# KiCad board magnum-drum-synth.kicad_pcb (continued)
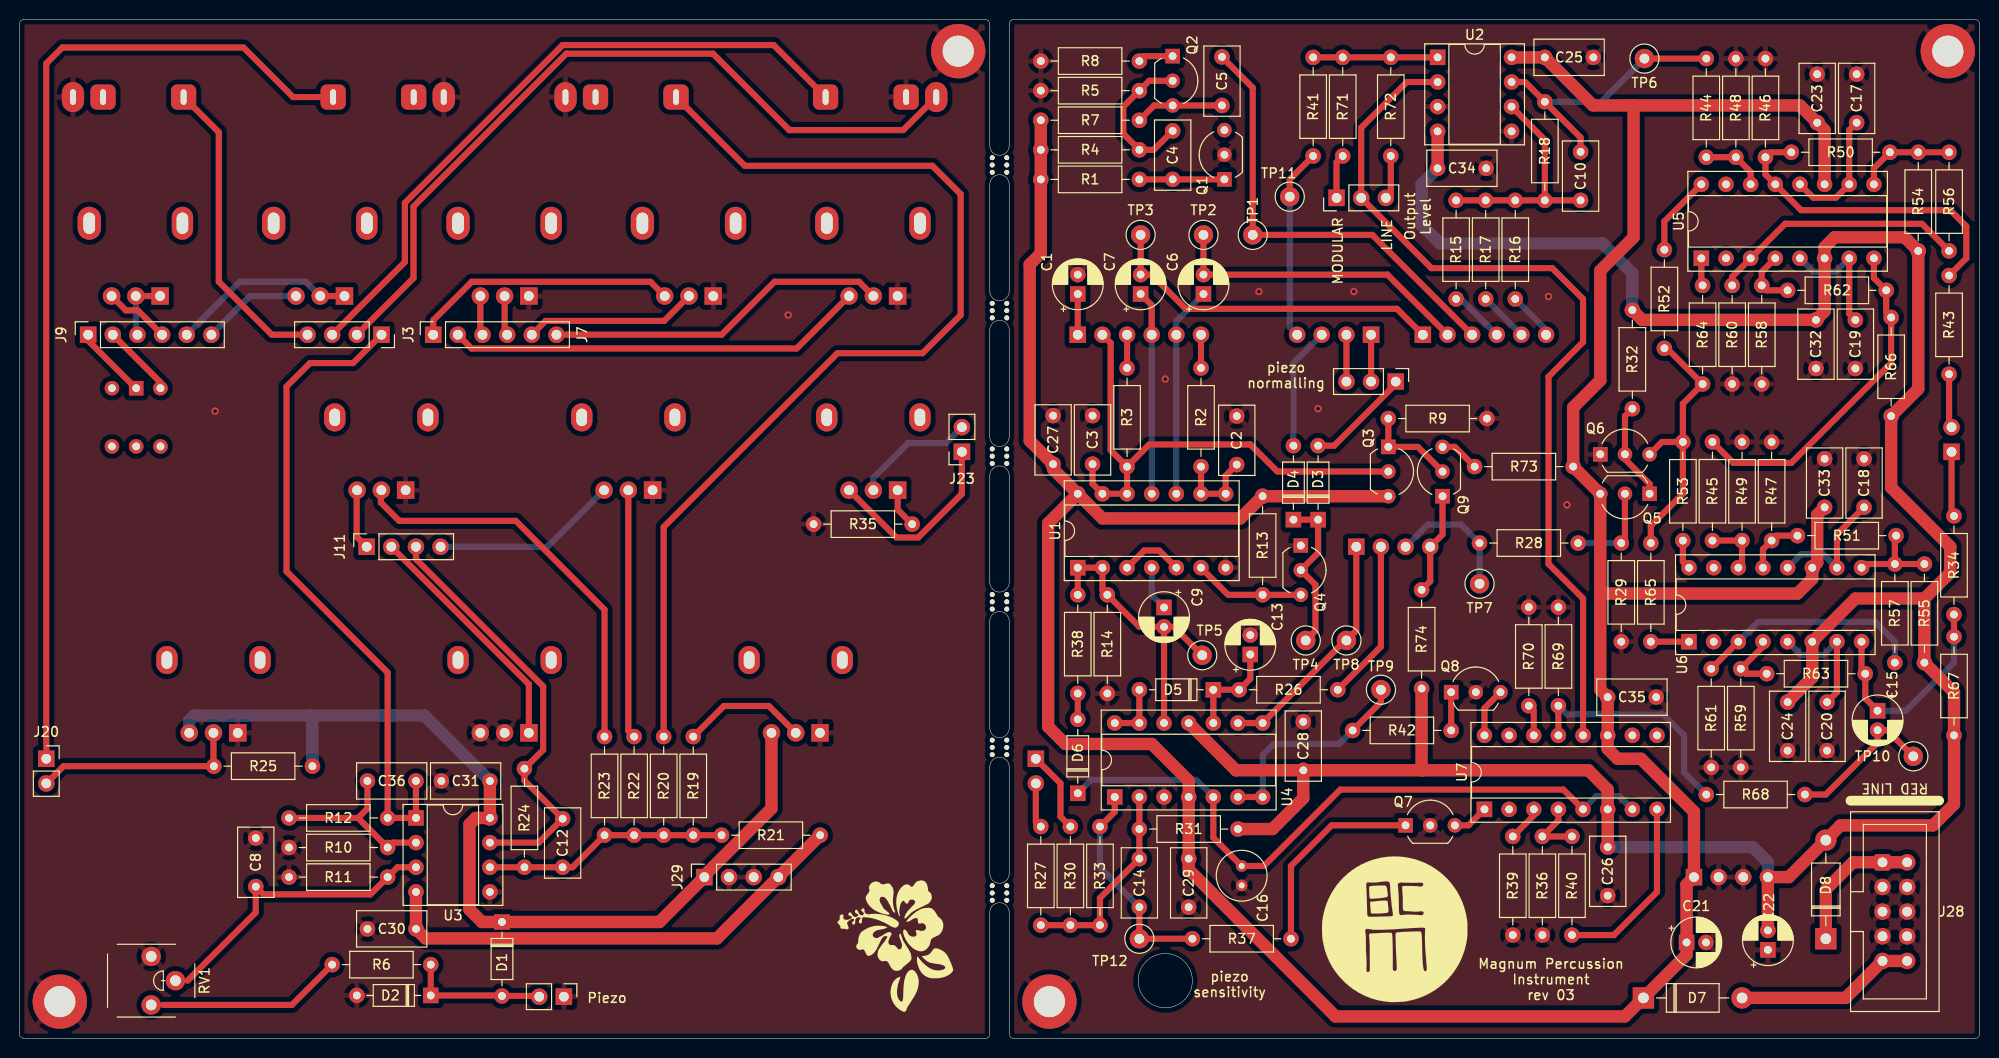
[diagram p0: board, top side]
## Placement (name value [footprint] x y rotation side) (continued)
U7  LM13700  [DIP-16_W7.62mm_Socket]  150.97 23.62 90 top

## Library data of the parts
C1 C6 C7 C9 C13 C15 C21 C22 = -: Spec: electrolytic; Tolerance: 20%; Voltage: 50v
C2-C4 C8 C10 C12 C14 C36 = -: Spec: ceramic C0G; Tolerance: 5%
C5 C23-C35 = -: Spec: ceramic X7R; Tolerance: 5%
C16 = -: Spec: electrolytic non polarised; Tolerance: 20%; Voltage: 50v
C17-C20 = -: Spec: film polypropylene; Tolerance: 5%
J2 = -: Name: Trig In; mpn: WQP-WQP518MA
J3 = -: Name: Trig Header Ctrl
J4 = -: Name: Trig Header Main
J5 = -: Name: Piezo Normal
J6 = -: Name: Signals Header Main
J7 = -: Name: Signals Header Ctrl
J8 = -: Name: OSC Freq Header Main
J9 = -: Name: OSC Freq Header Ctrl
J10 = -: Name: Filter Mod Header Main
J11 = -: Name: Filter Mod Header Ctrl
J12 = -: Name: Freq CV; mpn: WQP-WQP518MA
J18 = -: Name: Decay CV; mpn: WQP-WQP518MA
J20 = -: Name: Amp Decay Header Ctrl
J21 = -: Name: Amp Decay Header Main
J22 = -: Name: Res Header Main
J23 = -: Name: Res Header Ctrl
J26 = -: Name: Audio Out; mpn: WQP-WQP518MA
J27 = -: Name: Output Level Select
J29 = -: Name: Power Header Ctrl
J30 = -: Name: Power Header Main
R1-R74 = -: Tolerance: 1%
RV1 = -: Name: Piezo Sensitivity; Spec: single turn
RV2 = -: Name: OSC2 Level
RV3 = -: Name: OSC1 Freq
RV4 = -: Name: OSC2 Freq
RV5 = -: Name: OSC1 Level
RV6 = -: Name: Noise Level
RV7 = -: Name: Filter Env Mod
RV8 = -: Name: Filter Freq
RV9 = -: Name: Filter LFO Mod
RV10 = -: Name: Amp Env Decay
RV11 = -: Name: Filter Env Decay
RV12 = -: Name: Filter Res
SW1 = -: Name: OSC2 LFO; PartNumber: MHPS2285

## Footprints (pads in the part's own frame, mm; a bottom-side part is the same pattern mirrored in y, then rotated)
C_Radial_D5.0mm_H5.0mm_P2.00mm
  round 1.2 hole 0.6: 1(0,0) 2(2,0)
C_Rect_L7.0mm_W3.5mm_P5.00mm
  round 1.6 hole 0.8: 1(0,0) 2(5,0)
CP_Radial_D5.0mm_P2.00mm
  rect 1.6x1.6 hole 0.8: 1(0,0)
  round 1.6 hole 0.8: 2(2,0)
D_DO-35_SOD27_P7.62mm_Horizontal
  rect 1.6x1.6 hole 0.8: 1(0,0)
  oval 1.6x1.6 hole 0.8: 2(7.62,0)
D_DO-41_SOD81_P10.16mm_Horizontal
  rect 2.2x2.2 hole 1.1: 1(0,0)
  oval 2.2x2.2 hole 1.1: 2(10.16,0)
DIP-8_W7.62mm_Socket
  rect 1.6x1.6 hole 0.8: 1(0,0)
  oval 1.6x1.6 hole 0.8: 2(0,-2.54) 3(0,-5.08) 4(0,-7.62) 5(7.62,-7.62) 6(7.62,-5.08) 7(7.62,-2.54) 8(7.62,0)
DIP-14_W7.62mm_Socket
  rect 1.6x1.6 hole 0.8: 1(0,0)
  oval 1.6x1.6 hole 0.8: 2(0,-2.54) 3(0,-5.08) 4(0,-7.62) 5(0,-10.16) 6(0,-12.7) 7(0,-15.24) 8(7.62,-15.24) 9(7.62,-12.7) 10(7.62,-10.16) 11(7.62,-7.62) 12(7.62,-5.08) 13(7.62,-2.54) 14(7.62,0)
DIP-16_W7.62mm_Socket
  rect 1.6x1.6 hole 0.8: 1(0,0)
  oval 1.6x1.6 hole 0.8: 2(0,-2.54) 3(0,-5.08) 4(0,-7.62) 5(0,-10.16) 6(0,-12.7) 7(0,-15.24) 8(0,-17.78) 9(7.62,-17.78) 10(7.62,-15.24) 11(7.62,-12.7) 12(7.62,-10.16) 13(7.62,-7.62) 14(7.62,-5.08) 15(7.62,-2.54) 16(7.62,0)
Eurorack_PowerHeader_2x05_P2.54mm_Shrouded
  rrect 1.7x1.7 hole 1: 1(0,0)
  round 1.7 hole 1: 2(2.54,0) 3(0,-2.54) 4(2.54,-2.54) 5(0,-5.08) 6(2.54,-5.08) 7(0,-7.62) 8(2.54,-7.62) 9(0,-10.16) 10(2.54,-10.16)
Jack_3.5mm_QingPu_WQP-PJ398SM_Vertical
  oval 3.1x2.3 hole 1.6x0.6: S(0,-6.48)
  rrect 2.6x2.6 hole 1.6x0.6: T(0,4.92) TN(0,-3.38)
MountingHole_3.2mm_M3_DIN965_Pad
  round 5.6 hole 3.2: 1(0,0)
mouse-bite-2mm-slot
  round 0.5 hole 0.5 unplated: (-0.75,0.75) (-0.75,-0.75) (0,0.75) (0,-0.75) (0.75,0.75) (0.75,-0.75)
PinHeader_1x02_P2.54mm_Vertical
  rect 1.7x1.7 hole 1: 1(0,0)
  oval 1.7x1.7 hole 1: 2(0,-2.54)
PinHeader_1x03_P2.54mm_Vertical
  rect 1.7x1.7 hole 1: 1(0,0)
  oval 1.7x1.7 hole 1: 2(0,-2.54) 3(0,-5.08)
PinHeader_1x04_P2.54mm_Vertical
  rect 1.7x1.7 hole 1: 1(0,0)
  oval 1.7x1.7 hole 1: 2(0,-2.54) 3(0,-5.08) 4(0,-7.62)
PinHeader_1x06_P2.54mm_Vertical
  rect 1.7x1.7 hole 1: 1(0,0)
  oval 1.7x1.7 hole 1: 2(0,-2.54) 3(0,-5.08) 4(0,-7.62) 5(0,-10.16) 6(0,-12.7)
PinSocket_1x02_P2.54mm_Vertical
  rect 1.7x1.7 hole 1: 1(0,0)
  oval 1.7x1.7 hole 1: 2(0,-2.54)
PinSocket_1x04_P2.54mm_Vertical
  rect 1.7x1.7 hole 1: 1(0,0)
  oval 1.7x1.7 hole 1: 2(0,-2.54) 3(0,-5.08) 4(0,-7.62)
PinSocket_1x06_P2.54mm_Vertical
  rect 1.7x1.7 hole 1: 1(0,0)
  oval 1.7x1.7 hole 1: 2(0,-2.54) 3(0,-5.08) 4(0,-7.62) 5(0,-10.16) 6(0,-12.7)
Potentiometer_Alpha_RD901F-40-00D_Single_Vertical
  oval 2.2x2.9 hole 1.1x1.8: (-4.8,0) (4.8,0)
  rect 1.8x1.8 hole 1: 1(-2.5,-7.5)
  round 1.8 hole 1: 2(0,-7.5) 3(2.5,-7.5)
Potentiometer_Song_Huei_R0904N_Single_Vertical
  oval 2.2x3.4 hole 1.2x2.2: (-4.8,0)
  oval 2.4x3.4 hole 1.2x2.2: (4.8,0)
  rect 1.8x1.8 hole 1: 1(-2.5,-7.5)
  round 1.8 hole 1: 2(0,-7.5) 3(2.5,-7.5)
Potentiometer_THT_Bourns_3306P_Vertical
  round 2 hole 1.1: 1(-2.5,-1.25) 2(0,1.25) 3(2.5,-1.25)
R_Axial_DIN0207_L6.3mm_D2.5mm_P10.16mm_Horizontal
  round 1.6 hole 0.8: 1(0,0)
  oval 1.6x1.6 hole 0.8: 2(10.16,0)
SW_PUSH_2P2T_8mm_Apem_MHPS2285
  rect 1.5x1.5 hole 0.8: 1(-3,0)
  round 1.5 hole 0.8: 2(-3,-2.5) 3(-3,2.5) 4(3,-2.5) 5(3,2.5) 6(3,0)
TestPoint_Loop_D2.50mm_Drill1.0mm_LowProfile
  round 2 hole 1: 1(0,0)
TO-92_Inline_Wide
  rect 1.5x1.5 hole 0.8: 1(0,0)
  round 1.5 hole 0.8: 2(2.54,0) 3(5.08,0)

## Nets
+12V: C21.1 C23.1 C25.1 C27.1 C29.1 C31.1 C33.1 C35.1 D1.1 D7.1 J29.1 J30.1 Q3.3 Q5.3 R1.1 R4.1 R7.1 R13.1 R25.2 R73.1 RV8.3 RV10.3 U1.14 U2.8 U3.8 U4.4 U5.11 U6.11 U7.11
-12V: C22.2 C24.2 C26.2 C28.2 C30.2 C32.2 C34.2 D8.2 J29.4 J30.4 R21.1 R31.1 R32.1 R54.2 R55.2 R66.2 R67.2 R74.2 U2.4 U3.4 U4.11 U5.6 U6.6 U7.6
GND: C1.2 C2.1 C3.2 C8.1 C13.2 C16.2 C17.1 C18.1 C19.1 C20.1 C21.2 C22.1 C23.2 C24.1 C25.2 C26.1 C27.2 C28.1 C29.2 C30.1 C31.2 C32.1 C33.2 C34.1 C35.2 D2.2 H7.1 H8.1 H9.1 H10.1 J1.1 J2.TN J12.S J18.S J26.S J28.3 J28.4 J28.5 J28.6 J28.7 J28.8 J29.2 J29.3 J30.2 J30.3 Q1.2 Q4.1 Q6.1 Q7.2 Q8.2 R5.2 R8.2 R9.2 R10.1 R11.2 R14.2 R29.2 R35.2 R36.1 R39.1 R46.2 R47.2 R48.2 R49.2 R58.2 R59.2 R60.2 R61.2 R69.2 R70.2 RV1.1 RV2.1 RV5.1 RV6.1 RV7.1 RV8.1 RV9.1 RV10.1 RV11.2 RV11.3 U1.7 U2.3 U2.5 U3.5 U4.3
/Filter/I_Freq: Q6.3 R52.2 R53.2 R64.2 R65.2
/Filter/Input: C10.2 R18.2 R44.1 TP6.1 U2.7
/Filter/Output: C15.1 R34.1 R63.2 R67.1 U6.8
/Filter_Env: J10.1 TP8.1 U4.8 U4.9
/Filter_Env_Decay: J10.2 R26.2
/Filter_Env_Decay_Ctrl: J11.2 RV11.1
/Filter_Env_Mod_Ctrl: J11.1 RV7.3
/Filter_LFO_Mod_Ctrl: J11.4 RV9.3
/Final_Output_Ctrl: J3.4 J26.T
/Final_Output_Main: J4.4 R41.2 TP11.1
/Freq_Control_Ctrl: C12.2 J11.3 R24.2 U3.7
/Freq_Control_Main: J10.3 R28.1 TP7.1
/Noise_Return: J6.4 R15.1
/Noise_Signal: C5.2 J6.3 TP1.1
/OSC1_Freq_L: J8.6 R2.2
/OSC1_Freq_R: C6.1 J8.5 U1.10
/OSC1_Return: J6.6 R16.1
/OSC1_Signal: C6.2 J6.2 TP2.1
/OSC2_Freq_L: J8.3 R3.2
/OSC2_Freq_R: C7.1 J8.4 U1.11
/OSC2_LFO_Cap: C1.1 J8.1
/OSC2_LFO_Main: C3.1 J8.2 Q3.2 R3.1 U1.12 U1.13
/OSC2_LFO_Signal: J10.4 Q9.1 R74.1
/OSC2_Return: J6.5 R17.1
/OSC2_Signal: C7.2 J6.1 TP3.1
/OutputVCA/I_Gain: Q8.3 U7.16
/OutputVCA/Input: C15.2 R68.1 TP10.1
/OutputVCA/Output: R41.1 R71.2 R72.2 U2.1
/Res_Amount: J22.2 R43.1
/Res_Top: J22.1 R34.2
/Trigger: C9.2 R14.1 R38.1 TP5.1 U1.1 U1.2 U4.12
Net-(C2-Pad2): C2.2 R2.1 U1.8 U1.9
Net-(C4-Pad1): C4.1 Q1.1 R1.2
Net-(C4-Pad2): C4.2 Q2.2 R4.2 R5.1
Net-(C5-Pad1): C5.1 Q2.3 R7.2
Net-(C8-Pad2): C8.2 R11.1 RV1.2 U3.3
Net-(C9-Pad1): C9.1 U1.4
Net-(C10-Pad1): C10.1 R15.2 R16.2 R17.2 R18.1 U2.6
Net-(C12-Pad1): C12.1 R19.2 R20.2 R21.2 R22.2 R23.2 R24.1 U3.6
Net-(C13-Pad1): C13.1 D5.1 R26.1 U4.10
Net-(C14-Pad1): C14.1 R27.1 R30.2 R31.2 R33.1 U4.2
Net-(C14-Pad2): C14.2 R33.2 R37.1 TP12.1 U4.1
Net-(C16-Pad1): C16.1 D6.1 U4.5 U7.5 U7.7
Net-(C17-Pad2): C17.2 U5.10 U5.12
Net-(C18-Pad2): C18.2 U6.10 U6.12
Net-(C19-Pad2): C19.2 U5.5 U5.7
Net-(C20-Pad2): C20.2 U6.5 U6.7
Net-(C36-Pad1): C36.1 R10.2 R12.2 U3.2
Net-(C36-Pad2): C36.2 J3.1 R12.1 U3.1
Net-(D1-Pad2): D1.2 D2.1 J1.2 R6.1
Net-(D3-Pad1): D3.1 D4.1 Q4.2 TP4.1
Net-(D3-Pad2): D3.2 J5.1
Net-(D4-Pad2): D4.2 J4.3
Net-(D5-Pad2): D5.2 U4.13 U4.14
Net-(D6-Pad2): D6.2 R38.2
Net-(D7-Pad2): D7.2 J28.9 J28.10
Net-(D8-Pad1): D8.1 J28.1 J28.2
Net-(J2-PadS): J2.S J3.2
Net-(J2-PadT): J2.T J3.3
Net-(J4-Pad1): J4.1 J5.2
Net-(J4-Pad2): J4.2 J5.3
Net-(J7-Pad1): J7.1 RV2.3
Net-(J7-Pad2): J7.2 RV5.3
Net-(J7-Pad3): J7.3 RV6.3
Net-(J7-Pad4): J7.4 RV6.2
Net-(J7-Pad5): J7.5 RV2.2
Net-(J7-Pad6): J7.6 RV5.2
Net-(J9-Pad1): J9.1 SW1.1
Net-(J9-Pad2): J9.2 SW1.2
Net-(J9-Pad3): J9.3 RV4.1 RV4.2
Net-(J9-Pad4): J9.4 RV4.3
Net-(J9-Pad5): J9.5 RV3.1 RV3.2
Net-(J9-Pad6): J9.6 RV3.3
Net-(J12-PadT): J12.T R20.1
Net-(J18-PadT): J18.T J20.1
Net-(J20-Pad2): J20.2 R25.1 RV10.2
Net-(J21-Pad1): J21.1 R30.1
Net-(J21-Pad2): J21.2 R27.2
Net-(J23-Pad1): J23.1 RV12.3
Net-(J23-Pad2): J23.2 RV12.2
Net-(J27-Pad1): J27.1 R71.1
Net-(J27-Pad2): J27.2 U2.2 U7.12
Net-(J27-Pad3): J27.3 R72.1
Net-(Q2-Pad1): Q2.1 R8.1
Net-(Q3-Pad1): Q3.1 Q9.2 R9.1
Net-(Q4-Pad3): Q4.3 R13.2 U1.6
Net-(Q5-Pad1): Q5.1 Q6.2 R32.2
Net-(Q5-Pad2): Q5.2 R28.2 R29.1
Net-(Q7-Pad1): Q7.1 R37.2
Net-(Q7-Pad3): Q7.3 U7.1
Net-(Q8-Pad1): Q8.1 R42.2
Net-(Q9-Pad3): Q9.3 R73.2
Net-(R6-Pad2): R6.2 RV1.3
Net-(R19-Pad1): R19.1 RV8.2
Net-(R22-Pad1): R22.1 RV9.2
Net-(R23-Pad1): R23.1 RV7.2
Net-(R35-Pad1): R35.1 RV12.1
Net-(R36-Pad2): R36.2 R40.1 U7.4
Net-(R39-Pad2): R39.2 U7.3
Net-(R40-Pad2): R40.2 U7.8
Net-(R42-Pad1): R42.1 TP9.1 U4.6 U4.7
Net-(R43-Pad2): R43.2 R46.1 R50.1 U5.13
Net-(R44-Pad2): R44.2 R48.1 U5.14
Net-(R45-Pad1): R45.1 R62.2 R66.1 U5.8
Net-(R45-Pad2): R45.2 R49.1 U6.14
Net-(R47-Pad1): R47.1 R51.1 U6.13
Net-(R50-Pad2): R50.2 R54.1 R56.1 U5.9
Net-(R51-Pad2): R51.2 R55.1 R57.1 U6.9
Net-(R52-Pad1): R52.1 U5.16
Net-(R53-Pad1): R53.1 U6.16
Net-(R56-Pad2): R56.2 R60.1 U5.3
Net-(R57-Pad2): R57.2 R61.1 U6.3
Net-(R58-Pad1): R58.1 R62.1 U5.4
Net-(R59-Pad1): R59.1 R63.1 U6.4
Net-(R64-Pad1): R64.1 U5.1
Net-(R65-Pad1): R65.1 U6.1
Net-(R68-Pad2): R68.2 R69.1 U7.13
Net-(R70-Pad1): R70.1 U7.14
Net-(U1-Pad3): U1.3 U1.5

Pads without a net: J12 TN; J18 TN; J26 TN; Q1 3; SW1 3 4 5 6; U5 2 15; U6 2 15; U7 2 9 10 15

## Via types
v1: diameter 0.762, hole 0.381, Top to Bottom, 8 vias

## Routing (per net, layer and track width the routed paths; a pad name or vN(x,y) marks a point on that pad's centre or on a via; arc(x,y) is an arc through that point)
+12V: length 454.6
  Top w1.27: RV8.3 77.5,23.7 70.58,16.79 J29.1 65.96,12.01 D1.1 47.66,12.01 46.38,13.3 46.38,22.07 47.04,22.73 U3.8 C31.1 ; 162.91,45.85 162.91,35.94 C35.1 163.68,29.84 164.69,28.83 167.1,28.83 172.56,23.37 J30.1 171.8,15.87 C21.1 171.8,8.64 D7.1 165.45,2.28 135.62,2.28 120.5,17.41 C29.1 U4.4 120.5,26.56 116.7,30.35 107.79,30.35 106.02,32.13 106.02,53.08 109.06,56.13 ; 162.91,45.85 Q5.3 R73.1 160.12,65.02 162.91,67.82 162.91,79.12 166.34,82.55 166.34,96.14 ; 162.91,45.85 183.23,45.85 184.76,47.37 U6.11 185.26,49.02 185.26,53.97 C33.1 ; 109.06,56.13 111.6,53.59 125.83,53.59 R13.1 Q3.3 ; 109.06,56.13 106.53,58.67 C27.1 104.11,61.59 104.11,79.75 105.25,80.9 R1.1 R4.1 R7.1 ; 166.34,96.14 162.15,96.14 C25.1 U2.8 ; 166.34,96.14 183.49,96.14 C23.1 186.03,93.6 U5.11
  Bottom w1.27: RV10.3 17.5,32.77 18.02,33.29 29.96,33.29 ; 29.96,33.29 30.2,33.05 R25.2 ; 29.96,33.29 41.74,33.29 C31.1
-12V: length 327.6
  Top w1.27: U2.4 C34.2 ; R32.1 167.23,74.04 C32.2 186.03,74.93 U5.6 186.03,81.53 187.04,82.55 194.28,82.55 R54.2 195.68,66.93 R66.2 192.88,56.77 198.98,50.67 198.98,48 196.31,45.34 ; R31.1 129.13,21.59 132.31,24.76 C28.2 ; C24.2 184.76,37.21 U6.6 189.2,45.34 196.31,45.34 ; 144.58,27.64 144.5,27.72 R74.2 ; 144.58,27.64 C28.2 ; 144.58,27.64 161.69,27.64 163.68,25.65 C26.2 ; 196.31,45.34 R55.2 199.36,35.69 R67.2 199.36,24.13 197.2,21.97 187.68,21.97 D8.2 182.34,16.64 J30.4 C22.2 ; C28.2 125.37,27.64 U4.11 ; U3.4 C30.2 41.84,10.32 71.89,10.32 J29.4 R21.1
  Bottom w1.27: C26.2 178.61,19.73 180.19,18.16 J30.4 ; R32.1 166.22,78.87 163.17,81.91 146.4,81.91 144.5,83.82 144.5,88.01 C34.2
GND:
  vias: v1(20.16,64.64) v1(79.22,74.55) v1(118.08,67.94) v1(127.73,76.96) v1(133.83,64.9) v1(137.51,76.96) v1(157.58,76.45) v1(159.48,54.99)
/Filter/I_Freq: length 28
  Top w0.635: R53.2 171.42,65.4 R64.2 169.77,71.12 R52.2 ; R53.2 169.26,61.47 167.99,60.2 ; R53.2 171.42,56.13 168.12,52.83 R65.2
/Filter/Input: length 29.4
  Top w0.635: C10.2 160.88,92.84 R18.2 155.17,98.55 U2.7 ; TP6.1 R44.1
  Bottom w0.635: TP6.1 163.01,96.52 R18.2
/Filter/Output: length 22.7
  Top w0.635: C15.1 190.22,35.05 R63.2 189.84,37.97 U6.8 ; R34.1 R67.1
  Bottom w0.635: C15.1 194.41,33.78 199.36,38.73 R67.1
/Filter_Env: length 24.8
  Top w0.635: J10.1 137.77,42.04 TP8.1 136.62,41.02 U4.8 U4.9
/Filter_Env_Decay: length 16.6
  Top w0.635: J10.2 140.31,40.39 R26.2
/Filter_Env_Decay_Ctrl: length 25
  Top w0.635: J11.2 52.5,36.5 RV11.1
/Filter_Env_Mod_Ctrl: length 6.3
  Top w0.635: J11.1 34.75,51.71 34.75,56.5
/Filter_LFO_Mod_Ctrl: length 19.3
  Bottom w0.635: RV9.3 54.42,50.67 J11.4
/Final_Output_Ctrl: length 31.9
  Top w0.635: J26.T 20.55,93.37 20.55,77.98 26.01,72.52 J3.4
/Final_Output_Main: length 19.7
  Top w0.635: TP11.1 130.91,88.52 R41.2
  Bottom w0.635: J4.4 130.91,73.28 TP11.1
/Freq_Control_Ctrl: length 44.4
  Top w0.635: J11.3 40.87,49.39 53.97,36.28 53.97,29.74 R24.2 52.04,26.59 C12.2 53.52,20.19 U3.7
/Freq_Control_Main: length 13.5
  Bottom w0.635: TP7.1 R28.1 148.56,52.96 145.13,52.96 J10.3
/Noise_Return: length 5.7
  Bottom w0.635: J6.4 148.56,76.2 R15.1
/Noise_Signal: length 46.5
  Top w0.635: J6.3 139.42,82.8 TP1.1 127.1,97.96 C5.2
/OSC1_Freq_L: length 3.4
  Top w0.635: J8.6 R2.2
/OSC1_Freq_R: length 21.7
  Bottom w0.635: 119.22,56.13 J8.5 119.22,73.91 C6.1
/OSC1_Return: length 5
  Bottom w0.635: R16.1 157.32,73.02 J6.6
/OSC1_Signal: length 31.8
  Top w0.635: J6.2 140.97,78.71 C6.2 TP2.1
/OSC2_Freq_L: length 3.4
  Top w0.635: J8.3 R3.2
/OSC2_Freq_R: length 21
  Top w0.635: J8.4 116.69,75.56 C7.1
  Bottom w0.635: J8.4 116.69,56.13
/OSC2_LFO_Cap: length 4.2
  Top w0.635: J8.1 C1.1
/OSC2_LFO_Main: length 52.5
  Top w0.635: R3.1 116.43,61.21 126.84,61.21 129.64,58.42 Q3.2 ; R3.1 114.15,56.13 111.6,56.13 110.59,57.15 C3.1 ; R3.1 112.46,60.62 112.46,71.67 J8.2
/OSC2_LFO_Signal: length 10.5
  Top w0.635: Q9.1 146.66,51.94 J10.4 145.39,47.12 R74.1
/OSC2_Return: length 5.2
  Bottom w0.635: J6.5 R17.1
/OSC2_Signal: length 35.7
  Top w0.635: TP3.1 C7.2 116.67,78.71 120.2,75.18 141.96,75.18 J6.1
/OutputVCA/I_Gain: length 5.1
  Top w0.635: U7.16 150.97,34.03 Q8.3
/OutputVCA/Input: length 15.8
  Top w0.635: TP10.1 192.47,31.78 C15.2 191.49,30.48 186.15,25.14 R68.1
/OutputVCA/Output: length 12.8
  Top w0.635: U2.1 R41.1
/Res_Amount: length 5.6
  Top w0.635: R43.1 198.85,63.25 J22.2
/Res_Top: length 6.7
  Top w0.635: J22.1 199.11,54.1 R34.2
/Trigger: length 30.6
  Top w0.635: C9.2 118.97,42.42 TP5.1 ; C9.2 115.41,42.42 R14.1 111.6,46.23 U1.2 U1.1 R38.1 ; C9.2 U4.12
Net-(C2-Pad2): length 8.8
  Top w0.635: C2.2 124.31,57.99 124.31,56.13 121.76,56.13 R2.1
Net-(C4-Pad1): length 8.8
  Top w0.635: Q1.1 C4.1 R1.2
Net-(C4-Pad2): length 15.6
  Top w0.635: C4.2 116.89,91.57 R4.2 113.76,93.22 113.76,96.01 R5.1 116.43,98.68 Q2.2
Net-(C5-Pad1): length 9.1
  Top w0.635: R7.2 116.94,96.14 Q2.3 C5.1
Net-(C8-Pad2): length 31.1
  Top w0.635: C8.2 25.16,14.86 36.17,14.86 R11.1 38.96,17.65 U3.3 ; C8.2 24.36,12.99 17.33,5.97 ; C8.2 24.74,15.28
Net-(C9-Pad1): length 4.6
  Bottom w0.635: C9.1 116.69,45.69 U1.4
Net-(C10-Pad1): length 23.9
  Top w0.635: R18.1 148.05,86.36 ; R18.1 C10.1 ; R18.1 157.2,92.58 U2.6
Net-(C12-Pad1): length 25.2
  Top w0.635: U3.6 R24.1 C12.1 57,17.65 R23.2 R22.2 R20.2 R19.2 R21.2
Net-(C13-Pad1): length 10.2
  Top w0.635: U4.10 D5.1 R26.1 126.84,37.08 C13.1
Net-(C14-Pad1): length 21
  Top w0.635: R27.1 R30.2 R33.1 111.35,14.48 C14.1 R31.2 U4.2
Net-(C14-Pad2): length 22.4
  Top w0.635: R37.1 TP12.1 C14.2 ; R33.2 112.88,23.37 U4.1
  Bottom w0.635: C14.2 111.35,17.61 R33.2
Net-(C16-Pad1): length 69.1
  Top w0.635: U7.5 159.1,25.65 136.12,25.65 128.24,17.78 C16.1 123.03,20.7 U4.5
  Bottom w0.635: U4.5 121.26,26.66 110.46,26.66 D6.1 ; U7.7 164.84,24.99 162.51,24.99 U7.5
Net-(C17-Pad2): length 12.9
  Top w0.635: U5.12 184.86,86.64 187.2,86.64 U5.10 188.57,93.6 C17.2
Net-(C18-Pad2): length 13.6
  Top w0.635: U6.10 187.3,51.94 C18.2
  Bottom w0.635: U6.12 183.59,49.88 185.93,49.88 U6.10
Net-(C19-Pad2): length 12.8
  Top w0.635: C19.2 188.57,74.67 U5.7
  Bottom w0.635: U5.5 184.86,79.02 187.2,79.02 U5.7
Net-(C20-Pad2): length 12.9
  Top w0.635: U6.7 187.3,35.69 C20.2
  Bottom w0.635: U6.5 183.59,39.52 185.93,39.52 U6.7
Net-(C36-Pad1): length 18.8
  Top w0.635: U3.2 38.45,20.19 R10.2 34.9,22.73 ; 34.9,22.73 R12.2 ; 34.9,22.73 35.87,23.7 C36.1
Net-(C36-Pad2): length 67.5
  Top w0.635: C36.2 U3.1 R12.1 37.94,37.72 27.53,48.13 27.53,67.18 29.94,69.59 34.39,69.59 J3.1
Net-(D1-Pad2): length 14.4
  Top w0.635: R6.1 D2.1 49.68,4.44 D1.2 53.49,4.39 J1.2
Net-(D3-Pad1): length 16.8
  Top w0.635: D4.1 D3.1 133.83,50.04 Q4.2 133.56,46.75 133.56,42.02 TP4.1
Net-(D3-Pad2): length 10.9
  Top w0.635: D3.2 135.48,61.09 141.83,67.44 J5.1
Net-(D4-Pad2): length 12.6
  Bottom w0.635: 134.21,72.52 131.29,69.59 D4.2
Net-(D5-Pad2): length 6
  Top w0.635: D5.2 U4.13 U4.14
Net-(D6-Pad2): length 2.7
  Top w0.635: R38.2 D6.2
Net-(D7-Pad2): length 18.6
  Top w1.27: D7.2 188.19,4.19 J28.9 J28.10
Net-(D8-Pad1): length 14.6
  Top w1.27: J28.2 J28.1 188.95,18.16 186.15,15.37 D8.1
Net-(J2-PadS): length 80.7
  Top w0.635: J3.2 40.61,78.36 40.61,85.72 56.36,101.47 71.47,101.47 79.35,93.6 91.08,93.6 J2.S
Net-(J2-PadT): length 69
  Top w0.635: J3.3 39.72,80.01 39.72,86.1 55.98,102.36 77.72,102.36 J2.T
Net-(J4-Pad1): length 4.8
  Top w0.635: J4.1 J5.2
Net-(J4-Pad2): length 4.8
  Top w0.635: J4.2 136.75,67.69
Net-(J7-Pad1): length 27.6
  Top w0.635: RV2.3 65.03,77.97 46.61,77.97 42.64,74 J7.1
Net-(J7-Pad2): length 43.1
  Top w0.635: J7.2 46.61,71.09 80.09,71.09 RV5.3
Net-(J7-Pad3): length 4.1
  Top w0.635: RV6.3 47.5,72.74 J7.3
Net-(J7-Pad4): length 4.1
  Top w0.635: J7.4 50,72.78 RV6.2
Net-(J7-Pad5): length 17.8
  Top w0.635: RV2.2 66.44,73.94 54.23,73.94 J7.5
Net-(J7-Pad6): length 35.5
  Top w0.635: RV5.2 86.53,77.97 77.82,77.97 72.36,72.52 J7.6
Net-(J9-Pad1): length 7.6
  Top w0.635: 12,67 7.08,71.92 J9.1
Net-(J9-Pad2): length 7.5
  Top w0.635: J9.2 14.5,67.64 14.5,67
Net-(J9-Pad3): length 6.6
  Top w0.635: RV4.2 RV4.1
  Bottom w0.635: RV4.2 12,72.68 J9.3
Net-(J9-Pad4): length 6.9
  Top w0.635: J9.4 12.19,75.03 10.97,75.03 RV4.3
Net-(J9-Pad5): length 19.1
  Top w0.635: RV3.1 RV3.2
  Bottom w0.635: J9.5 22.7,77.97 29.53,77.97 RV3.2
Net-(J9-Pad6): length 10.4
  Bottom w0.635: RV3.3 23.77,76.5 J9.6
Net-(J12-PadT): length 107.2
  Top w0.635: R20.1 66.39,52.7 84.3,70.61 93.06,70.61 97,74.55 97,86.99 94.08,89.91 74.75,89.91 J12.T
Net-(J18-PadT): length 104
  Top w0.635: J20.1 2.77,100.46 4.42,102.11 23.09,102.11 28.19,97 J18.T
Net-(J20-Pad2): length 21.5
  Top w0.635: J20.2 4.54,28.07 R25.1 20,28.1 RV10.2
Net-(J21-Pad1): length 8.5
  Top w0.635: R30.1 107.28,22.86 107.28,26.29 J21.1
Net-(J21-Pad2): length 4.7
  Top w0.635: J21.2 104.75,22.35 R27.2
Net-(J23-Pad1): length 19.8
  Top w0.635: RV12.3 90.37,51.63 92.62,51.63 97.13,56.13 J23.1
Net-(J23-Pad2): length 12.6
  Bottom w0.635: RV12.2 88,57.77 91.57,61.34 95.48,61.34 J23.2
Net-(J27-Pad1): length 4.6
  Top w0.635: J27.1 135.74,90.3 R71.1
Net-(J27-Pad2): length 92.1
  Top w0.635: U2.2 142.97,98.55 138.28,93.85 J27.2 145.51,79.37 157.96,79.37 161.13,76.2 161.13,71.75 157.58,68.2 157.58,48.89 161.13,45.34 U7.12
Net-(J27-Pad3): length 4.5
  Top w0.635: R72.1 141.32,87.12 J27.3
Net-(Q2-Pad1): length 3.6
  Top w0.635: R8.1 115.92,101.22 Q2.1
Net-(Q3-Pad1): length 9.6
  Top w0.635: R9.1 Q3.1 144.12,60.96 Q9.2
Net-(Q4-Pad3): length 11.4
  Top w0.635: Q4.3 R13.2 124.56,45.72 U1.6
Net-(Q5-Pad1): length 10.1
  Top w0.635: Q5.1 167.99,57.15 165.45,59.69 Q6.2 165.45,64.13 R32.2
Net-(Q5-Pad2): length 9.7
  Top w0.635: Q5.2 165.45,51.43 R29.1
  Bottom w0.635: R28.2 R29.1
Net-(Q7-Pad1): length 21
  Top w0.635: Q7.1 135.23,21.97 131.04,17.78 R37.2
Net-(Q7-Pad3): length 3.7
  Top w0.635: Q7.3 149.32,21.97 U7.1
Net-(Q8-Pad1): length 3.9
  Top w0.635: Q8.1 R42.2
Net-(Q9-Pad3): length 4.1
  Top w0.635: R73.2 147.93,60.96 Q9.3
Net-(R6-Pad2): length 19.1
  Top w0.635: 14.83,3.47 28.08,3.47 R6.2
Net-(R19-Pad1): length 13
  Top w0.635: R19.1 72.59,34.26 77.24,34.26 RV8.2
Net-(R22-Pad1): length 25.6
  Top w0.635: R22.1 62.75,31.71 RV9.2
Net-(R23-Pad1): length 42
  Top w0.635: 37.25,56.5 37.25,55.23 39.14,53.34 51.15,53.34 60.3,44.19 R23.1
Net-(R35-Pad1): length 4.1
  Top w0.635: R35.1 90.5,54.5 RV12.1
Net-(R36-Pad2): length 6.5
  Top w0.635: R40.1 R36.2 158.59,22.48 U7.4
Net-(R39-Pad2): length 3.7
  Top w0.635: U7.3 156.06,22.99 R39.2
Net-(R40-Pad2): length 19.1
  Top w0.635: R40.2 164.31,10.67 168.75,15.11 U7.8
Net-(R42-Pad1): length 22.6
  Top w0.635: U4.6 U4.7 ; TP9.1 140.31,34.67 R42.1
  Bottom w0.635: R42.1 135.99,30.35 129.26,30.35 128.12,29.21 U4.7
Net-(R43-Pad2): length 33.4
  Top w0.635: R43.2 200.63,80.39 200.63,83.69 198.98,85.34 183.61,85.34 U5.13 179.93,89.03 R46.1 180.44,91.31 R50.1
Net-(R44-Pad2): length 6.5
  Top w0.635: U5.14 178.41,89.28 R48.1 R44.2
Net-(R45-Pad1): length 35.1
  Top w0.635: R45.1 176.63,59.31 182.6,59.31 192.88,69.59 R66.1 192.38,74.8 R62.2 191.11,78.36 U5.8
Net-(R45-Pad2): length 6
  Top w0.635: R45.2 R49.1 177.52,48.89 U6.14
Net-(R47-Pad1): length 6
  Top w0.635: R51.1 181.07,51.81 R47.1 179.68,50.42 U6.13
Net-(R50-Pad2): length 10.1
  Top w0.635: R56.1 R54.1 R50.2 191.11,89.66 U5.9
Net-(R51-Pad2): length 9.6
  Top w0.635: R57.1 193.27,51.69 R51.2 ; R57.1 190.22,48.89 U6.9 ; R57.1 R55.1
Net-(R52-Pad1): length 8.3
  Top w0.635: U5.16 169.52,84.2 R52.1
Net-(R53-Pad1): length 3.1
  Top w0.635: U6.16 171.42,49.15 R53.1
Net-(R56-Pad2): length 26.7
  Top w0.635: R60.1 176.5,78.48 U5.3 181.96,83.95 196.06,83.95 R56.2
Net-(R57-Pad2): length 23.9
  Top w0.635: R61.1 U6.3
  Bottom w0.635: U6.3 179.17,42.92 191.23,42.92 193.27,40.89 R57.2
Net-(R58-Pad1): length 6.3
  Top w0.635: R62.1 180.06,77.09 R58.1 179.55,78.99 U5.4
Net-(R59-Pad1): length 6.6
  Top w0.635: R63.1 177.9,37.59 R59.1 179.68,40.39 U6.4
Net-(R64-Pad1): length 2.8
  Top w0.635: U5.1 173.33,77.72 R64.1
Net-(R65-Pad1): length 3.9
  Top w0.635: U6.1 R65.1
Net-(R68-Pad2): length 24.3
  Top w0.635: R69.1 U7.13
  Bottom w0.635: R68.2 171.55,27.43 171.55,31.24 169.39,33.4 159.48,33.4 R69.1
Net-(R70-Pad1): length 3.3
  Top w0.635: R70.1 156.06,33.78 U7.14
Net-(U1-Pad3): length 6.5
  Top w0.635: U1.5 117.45,50.28 115.92,50.28 U1.3

## Copper pours and planes (outline as drawn; the poured copper is in the pictures)
GND on Top, Bottom: 100,0 0,0 0,105 100,105
GND on Top, Bottom: 202,0 102,0 102,105 202,105

## Text on the board
B.Silkscreen: Out | LFO Mode | Volume Decay | Amp Decay CV | Filter Env Mod | Filter Env Decay | Piezo | Filter Freq CV | Filter LFO Amount | Filter Freq | Trigger | OSC2 Freq | OSC1 Freq | Noise Volume | OSC2 Volume | Resonance | OSC1 Volume | This side towards panel
F.Silkscreen: Piezo | piezo / sensitivity | piezo / normalling | Magnum Percussion / Instrument / rev 03 | MODULAR | LINE | Output / Level
